# EAGLE board Mk4 Final a Panel score (EAGLE 9.0.1), part 3 of 24
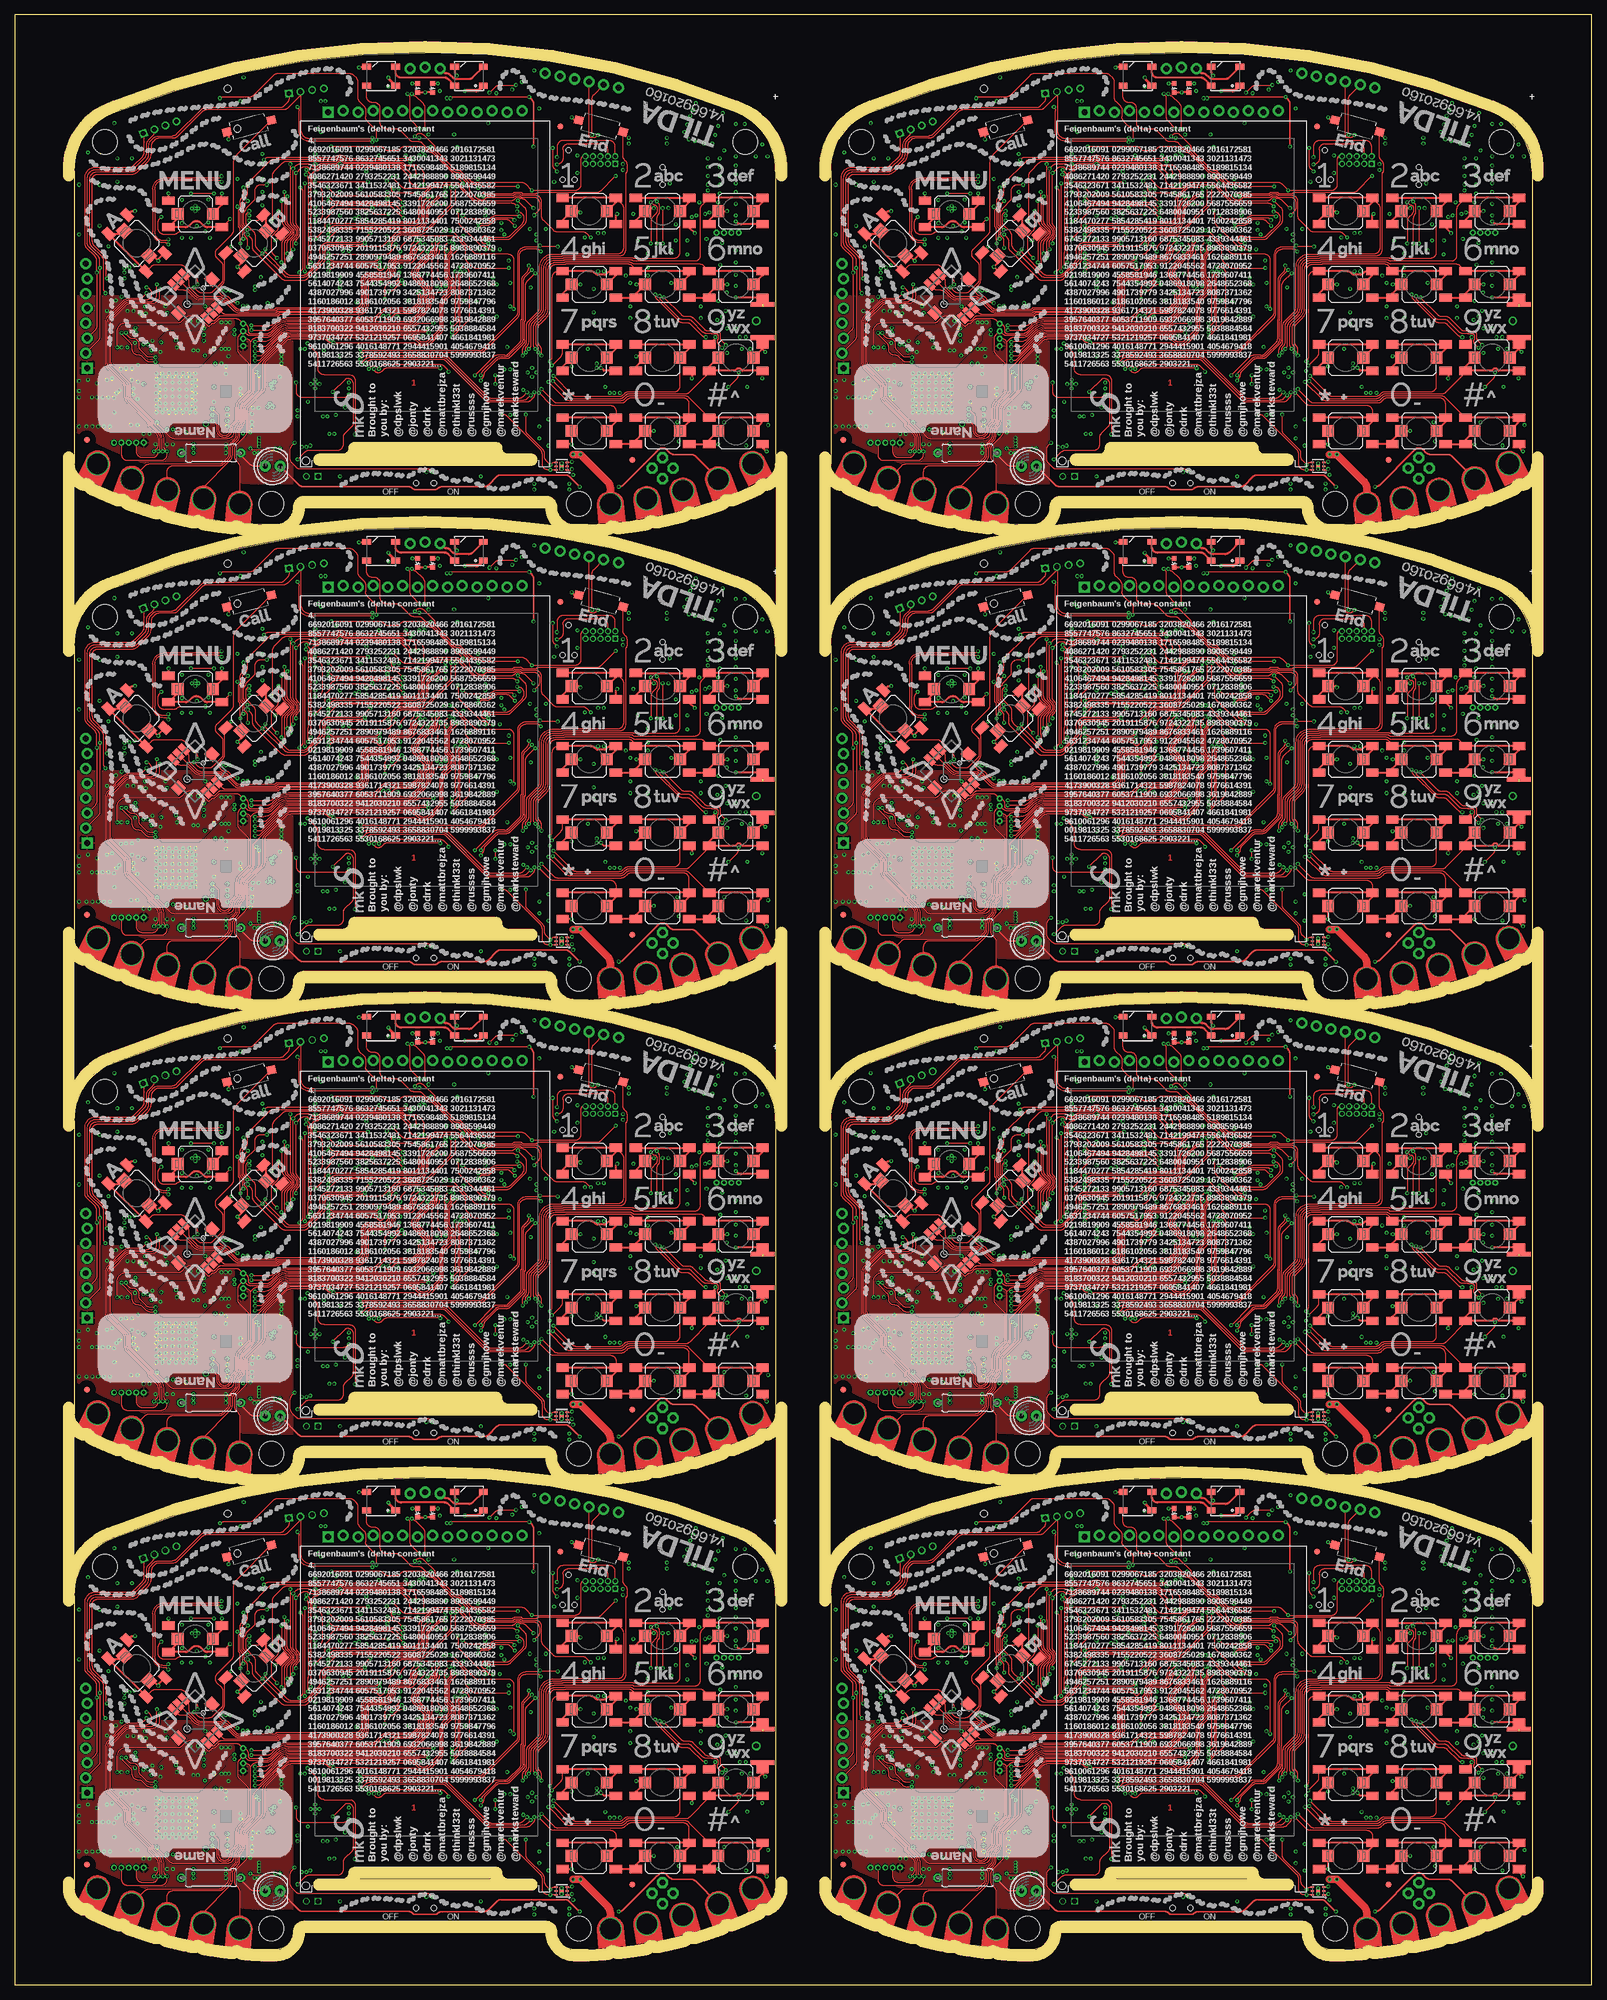
[diagram p0: board, top side]
## Placement (x,y rotation side) (continued)
LOGO2  LOGO_MICROPYTHON-6MM  [LOGO_MICROPYTHON_6MM]  88.75,51.7 0 bottom
LOGO3  LOGO_HCD-4MM  [LOGO_HDC_4MM]  86.4,63.4 0 bottom
LOGO4  LOGO_TI-BY-4MM  [LOGO_TI_BY_4MM]  92.5,68 0 bottom
LOGO5  EMFLOGO-2018-6MM  [EMFLOGO-2018-6MM]  32.5,48 90 bottom
LOGO6  LOGO-SEEEDSTUDIO-SILK  [LOGO_SILK]  60,82 0 bottom
LOGO7  LOGO_SIM  [SIM_ICON]  238,26 0 bottom
LOGO8  LOGO_MICROPYTHON-6MM  [LOGO_MICROPYTHON_6MM]  217.75,51.7 0 bottom
LOGO9  LOGO_HCD-4MM  [LOGO_HDC_4MM]  215.4,63.4 0 bottom
LOGO10  LOGO_TI-BY-4MM  [LOGO_TI_BY_4MM]  221.5,68 0 bottom
LOGO11  LOGO-SEEEDSTUDIO-SILK  [LOGO_SILK]  189,82 0 bottom
LOGO12  EMFLOGO-2018-6MM  [EMFLOGO-2018-6MM]  161.5,48 90 bottom
LOGO13  LOGO_SIM  [SIM_ICON]  109,107 0 bottom
LOGO14  LOGO_MICROPYTHON-6MM  [LOGO_MICROPYTHON_6MM]  88.75,132.7 0 bottom
LOGO15  LOGO_HCD-4MM  [LOGO_HDC_4MM]  86.4,144.4 0 bottom
LOGO16  LOGO_TI-BY-4MM  [LOGO_TI_BY_4MM]  92.5,149 0 bottom
LOGO17  LOGO-SEEEDSTUDIO-SILK  [LOGO_SILK]  60,163 0 bottom
LOGO18  EMFLOGO-2018-6MM  [EMFLOGO-2018-6MM]  32.5,129 90 bottom
LOGO19  LOGO_SIM  [SIM_ICON]  238,107 0 bottom
LOGO20  LOGO_MICROPYTHON-6MM  [LOGO_MICROPYTHON_6MM]  217.75,132.7 0 bottom
LOGO21  LOGO_HCD-4MM  [LOGO_HDC_4MM]  215.4,144.4 0 bottom
LOGO22  LOGO_TI-BY-4MM  [LOGO_TI_BY_4MM]  221.5,149 0 bottom
LOGO23  LOGO-SEEEDSTUDIO-SILK  [LOGO_SILK]  189,163 0 bottom
LOGO24  EMFLOGO-2018-6MM  [EMFLOGO-2018-6MM]  161.5,129 90 bottom
LOGO25  LOGO_SIM  [SIM_ICON]  109,188 0 bottom
LOGO26  LOGO_MICROPYTHON-6MM  [LOGO_MICROPYTHON_6MM]  88.75,213.7 0 bottom
LOGO27  LOGO_HCD-4MM  [LOGO_HDC_4MM]  86.4,225.4 0 bottom
LOGO28  LOGO_TI-BY-4MM  [LOGO_TI_BY_4MM]  92.5,230 0 bottom
LOGO29  LOGO-SEEEDSTUDIO-SILK  [LOGO_SILK]  60,244 0 bottom
LOGO30  EMFLOGO-2018-6MM  [EMFLOGO-2018-6MM]  32.5,210 90 bottom
LOGO31  LOGO_SIM  [SIM_ICON]  238,188 0 bottom
LOGO32  LOGO_MICROPYTHON-6MM  [LOGO_MICROPYTHON_6MM]  217.75,213.7 0 bottom
LOGO33  LOGO_HCD-4MM  [LOGO_HDC_4MM]  215.4,225.4 0 bottom
LOGO34  LOGO_TI-BY-4MM  [LOGO_TI_BY_4MM]  221.5,230 0 bottom
LOGO35  LOGO-SEEEDSTUDIO-SILK  [LOGO_SILK]  189,244 0 bottom
LOGO36  EMFLOGO-2018-6MM  [EMFLOGO-2018-6MM]  161.5,210 90 bottom
LOGO37  LOGO_SIM  [SIM_ICON]  109,269 0 bottom
LOGO38  LOGO_MICROPYTHON-6MM  [LOGO_MICROPYTHON_6MM]  88.75,294.7 0 bottom
LOGO39  LOGO_HCD-4MM  [LOGO_HDC_4MM]  86.4,306.4 0 bottom
LOGO40  LOGO_TI-BY-4MM  [LOGO_TI_BY_4MM]  92.5,311 0 bottom
LOGO41  LOGO-SEEEDSTUDIO-SILK  [LOGO_SILK]  60,325 0 bottom
LOGO42  EMFLOGO-2018-6MM  [EMFLOGO-2018-6MM]  32.5,291 90 bottom
LOGO43  LOGO_SIM  [SIM_ICON]  238,269 0 bottom
LOGO44  LOGO_MICROPYTHON-6MM  [LOGO_MICROPYTHON_6MM]  217.75,294.7 0 bottom
LOGO45  LOGO_HCD-4MM  [LOGO_HDC_4MM]  215.4,306.4 0 bottom
LOGO46  LOGO_TI-BY-4MM  [LOGO_TI_BY_4MM]  221.5,311 0 bottom
LOGO47  LOGO-SEEEDSTUDIO-SILK  [LOGO_SILK]  189,325 0 bottom
LOGO48  EMFLOGO-2018-6MM  [EMFLOGO-2018-6MM]  161.5,291 90 bottom
PCB  TiLDA Mk4 PCB  [TILDA_MK4_OUTLINE_TALL_V1]  70,6 0 top
PCB1  TiLDA Mk4 PCB  [TILDA_MK4_OUTLINE_TALL_V1]  199,6 0 top
PCB2  TiLDA Mk4 PCB  [TILDA_MK4_OUTLINE_TALL_V1]  70,87 0 top
PCB3  TiLDA Mk4 PCB  [TILDA_MK4_OUTLINE_TALL_V1]  199,87 0 top
PCB4  TiLDA Mk4 PCB  [TILDA_MK4_OUTLINE_TALL_V1]  70,168 0 top
PCB5  TiLDA Mk4 PCB  [TILDA_MK4_OUTLINE_TALL_V1]  199,168 0 top
PCB6  TiLDA Mk4 PCB  [TILDA_MK4_OUTLINE_TALL_V1]  70,249 0 top
PCB7  TiLDA Mk4 PCB  [TILDA_MK4_OUTLINE_TALL_V1]  199,249 0 top
Q1  2N7002PW  [SC70-3-R]  100.5,35.5 90 bottom
Q2  2N7002PW  [SC70-3-R]  116,19.75 90 bottom
Q3  CSD25402Q3A  [Q3A]  49.75,21.75 0 bottom
Q4  CSD13202Q2  [Q2]  213.5,44.75 270 bottom
Q5  2N7002PW  [SC70-3-R]  245,19.75 90 bottom
Q6  2N7002PW  [SC70-3-R]  229.5,35.5 90 bottom
Q7  CSD25402Q3A  [Q3A]  178.75,21.75 0 bottom
Q8  CSD13202Q2  [Q2]  84.5,44.75 270 bottom
Q9  CSD13202Q2  [Q2]  84.5,125.75 270 bottom
Q10  2N7002PW  [SC70-3-R]  116,100.75 90 bottom
Q11  2N7002PW  [SC70-3-R]  100.5,116.5 90 bottom
Q12  CSD25402Q3A  [Q3A]  49.75,102.75 0 bottom
Q13  CSD13202Q2  [Q2]  213.5,125.75 270 bottom
Q14  2N7002PW  [SC70-3-R]  245,100.75 90 bottom
Q15  2N7002PW  [SC70-3-R]  229.5,116.5 90 bottom
Q16  CSD25402Q3A  [Q3A]  178.75,102.75 0 bottom
Q17  CSD13202Q2  [Q2]  84.5,206.75 270 bottom
Q18  2N7002PW  [SC70-3-R]  116,181.75 90 bottom
Q19  2N7002PW  [SC70-3-R]  100.5,197.5 90 bottom
Q20  CSD25402Q3A  [Q3A]  49.75,183.75 0 bottom
Q21  CSD13202Q2  [Q2]  213.5,206.75 270 bottom
Q22  2N7002PW  [SC70-3-R]  245,181.75 90 bottom
Q23  2N7002PW  [SC70-3-R]  229.5,197.5 90 bottom
Q24  CSD25402Q3A  [Q3A]  178.75,183.75 0 bottom
Q25  CSD13202Q2  [Q2]  84.5,287.75 270 bottom
Q26  2N7002PW  [SC70-3-R]  116,262.75 90 bottom
Q27  2N7002PW  [SC70-3-R]  100.5,278.5 90 bottom
Q28  CSD25402Q3A  [Q3A]  49.75,264.75 0 bottom
Q29  CSD13202Q2  [Q2]  213.5,287.75 270 bottom
Q30  2N7002PW  [SC70-3-R]  245,262.75 90 bottom
Q31  2N7002PW  [SC70-3-R]  229.5,278.5 90 bottom
Q32  CSD25402Q3A  [Q3A]  178.75,264.75 0 bottom
R1  0402/1K/5%  [R0402-SMALLER]  54.5,73.5 270 bottom
R2  0402/1K/5%  [R0402-SMALLER]  55.5,73.5 270 bottom
R3  0402/4K87/5%  [R0402-SMALLER]  60.25,63.25 0 bottom
R4  0402/10K/5%  [R0402-SMALLER]  68.5,71.25 180 bottom
R5  0402/1M/5%  [R0402-SMALLER]  60.75,65.75 90 bottom
R6  0402/2K/5%  [R0402-SMALLER]  73.75,68.95 90 bottom
R7  0402/1M/5%  [R0402-SMALLER]  87.75,84 270 bottom
R8  0402/100R/5%  [R0402-SMALLER]  88.25,80.5 180 bottom
R9  0402/10K/5%  [R0402-SMALLER]  77.5,50.25 270 bottom
R10  0402/10K/5%  [R0402-SMALLER]  88,47.75 90 bottom
R11  [0309/10]  33.5,18.25 180 top
R12  0402/2K/5%  [R0402-SMALLER]  71.27,80.5 270 bottom
R13  0402/10K/5%  [R0402-SMALLER]  47.75,21.25 90 bottom
R14  0402/2K/5%  [R0402-SMALLER]  68.73,80.5 270 bottom
R15  0402/10K/5%  [R0402-SMALLER]  55.75,29.25 0 bottom
R16  0402/10K/5%  [R0402-SMALLER]  55.75,28.25 180 bottom
R17  0402/2K/5%  [R0402-SMALLER]  55.75,30.25 180 bottom
R18  0402/10K/5%  [R0402-SMALLER]  51.25,36.5 180 bottom
R19  0402/10K/5%  [R0402-SMALLER]  51.25,35.5 180 bottom
R20  0402/10K/5%  [R0402-SMALLER]  51.75,34 90 bottom
R21  0402/4K7/5%  [R0402-SMALLER]  56.05,54.25 90 bottom
R22  0402/4K7/5%  [R0402-SMALLER]  57.05,54.25 90 bottom
R23  0402/4K7/5%  [R0402-SMALLER]  82.25,55 180 bottom
R24  0402/4K7/5%  [R0402-SMALLER]  82.25,53.75 180 bottom
R25  0402/100K/5%  [R0402-SMALLER]  35,22.75 180 bottom
R26  0402/51R/5%  [R0402-SMALLER]  107.5,58.5 90 bottom
R27  0402/51R/5%  [R0402-SMALLER]  109.5,58.5 90 bottom
R28  0402/51R/5%  [R0402-SMALLER]  110.5,58.5 90 bottom
R29  0402/4K7/5%  [R0402-SMALLER]  116.5,36.75 180 bottom
R30  0402/100K/5%  [R0402-SMALLER]  98.5,35.5 90 bottom
R31  0402/1K/5%  [R0402-SMALLER]  100,47.25 180 bottom
R32  0402/1K/5%  [R0402-SMALLER]  100,48.25 180 bottom
R33  0402/1K/5%  [R0402-SMALLER]  100,45.25 180 bottom
R34  0402/1K/5%  [R0402-SMALLER]  100,44.25 180 bottom
R35  0402/1K/5%  [R0402-SMALLER]  100,43.25 180 bottom
R36  0402/1K/5%  [R0402-SMALLER]  100,39.25 180 bottom
R37  0402/1K/5%  [R0402-SMALLER]  100,41.25 180 bottom
R38  0402/5K6/5%  [R0402-SMALLER]  100,40.25 0 bottom
R39  0402/5K6/5%  [R0402-SMALLER]  100,42.25 0 bottom
R40  0402/5K6/5%  [R0402-SMALLER]  100,46.25 0 bottom
R41  0402/1K/5%  [R0402-SMALLER]  100,38.25 180 bottom
R42  0402/1K/5%  [R0402-SMALLER]  100,37.25 180 bottom
R43  0402/10K/5%  [R0402-SMALLER]  90.75,53 90 bottom
R44  0402/12R/5%  [R0402-SMALLER]  79.5,45 270 bottom
R45  0402/10K/5%  [R0402-SMALLER]  91.75,53 90 bottom
R46  0402/10K/5%  [R0402-SMALLER]  92.25,55.5 180 bottom
R47  0402/12R/5%  [R0402-SMALLER]  82.5,45 270 bottom
R48  0402/12R/5%  [R0402-SMALLER]  81.5,45 270 bottom
R49  0402/12R/5%  [R0402-SMALLER]  80.5,45 270 bottom
R50  0402/22K/5%  [R0402-SMALLER]  90.25,55.5 0 bottom
R51  0402/22K/5%  [R0402-SMALLER]  90.25,54.5 0 bottom
R52  0402/15K/5%  [R0402-SMALLER]  90.5,64.75 180 bottom
R53  0402/8K2/5%  [R0402-SMALLER]  88.5,64.75 0 bottom
R54  0402/10K/5%  [R0402-SMALLER]  95.5,60.5 270 bottom
R55  0402/10K/5%  [R0402-SMALLER]  97.75,55.75 180 bottom
R56  0402/10K/5%  [R0402-SMALLER]  104.25,65.5 180 bottom
R57  0402/150K/1%  [R0402-SMALLER]  31.95,65.45 0 bottom
R58  0402/150K/1%  [R0402-SMALLER]  31.95,64.45 0 bottom
R59  0402/10K/5%  [R0402-SMALLER]  114,19.75 90 bottom
R60  0402/732K/5%  [R0402-SMALLER]  38.95,20.35 270 bottom
R61  0402/162K/5%  [R0402-SMALLER]  39.95,20.35 90 bottom
R62  0402/10K/5%  [R0402-SMALLER]  22,22.75 270 bottom
R63  0402/100K/5%  [R0402-SMALLER]  19.25,41.2 90 bottom
R64  0402/100K/5%  [R0402-SMALLER]  20.25,41.2 90 bottom
R65  0402/100K/5%  [R0402-SMALLER]  23,22.75 270 bottom
R66  0402/10K/5%  [R0402-SMALLER]  18.5,46.25 90 bottom
R67  0402/100K/5%  [R0402-SMALLER]  21,43.25 180 bottom
R68  0402/100K/5%  [R0402-SMALLER]  35,25.75 180 bottom
R69  0402/100K/5%  [R0402-SMALLER]  35,23.75 180 bottom
R70  0402/100K/5%  [R0402-SMALLER]  36.75,32.5 90 bottom
R71  0402/100K/5%  [R0402-SMALLER]  28.5,22.25 270 bottom
R72  0402/100K/5%  [R0402-SMALLER]  24,21 270 bottom
R73  0402/100K/5%  [R0402-SMALLER]  19.25,35 90 bottom
R74  0402/10K/5%  [R0402-SMALLER]  28.75,62.5 0 bottom
R75  0402/0R/5%  [R0402-SMALLER]  31,67.5 180 bottom
R76  0402/10K/5%  [R0402-SMALLER]  84,33.75 90 bottom
R77  0402/150K/1%  [R0402-SMALLER]  31.95,66.4 0 bottom
R78  0402/150K/1%  [R0402-SMALLER]  32,63.5 0 bottom
R79  0402/12R/5%  [R0402-SMALLER]  211.5,45 270 bottom
R80  0402/12R/5%  [R0402-SMALLER]  210.5,45 270 bottom
R81  0402/12R/5%  [R0402-SMALLER]  209.5,45 270 bottom
R82  0402/12R/5%  [R0402-SMALLER]  208.5,45 270 bottom
R83  0402/2K/5%  [R0402-SMALLER]  200.27,80.5 270 bottom
R84  0402/2K/5%  [R0402-SMALLER]  197.73,80.5 270 bottom
R85  0402/1K/5%  [R0402-SMALLER]  183.5,73.5 270 bottom
R86  0402/1K/5%  [R0402-SMALLER]  184.5,73.5 270 bottom
R87  0402/4K87/5%  [R0402-SMALLER]  189.25,63.25 0 bottom
R88  0402/10K/5%  [R0402-SMALLER]  197.5,71.25 180 bottom
R89  0402/1M/5%  [R0402-SMALLER]  189.75,65.75 90 bottom
R90  0402/2K/5%  [R0402-SMALLER]  202.75,68.95 90 bottom
R91  0402/1M/5%  [R0402-SMALLER]  216.75,84 270 bottom
R92  0402/100R/5%  [R0402-SMALLER]  217.25,80.5 180 bottom
R93  0402/10K/5%  [R0402-SMALLER]  206.5,50.25 270 bottom
R94  0402/10K/5%  [R0402-SMALLER]  217,47.75 90 bottom
R95  [0309/10]  162.5,18.25 180 top
R96  0402/10K/5%  [R0402-SMALLER]  176.75,21.25 90 bottom
R97  0402/10K/5%  [R0402-SMALLER]  184.75,29.25 0 bottom
R98  0402/10K/5%  [R0402-SMALLER]  184.75,28.25 180 bottom
R99  0402/2K/5%  [R0402-SMALLER]  184.75,30.25 180 bottom
R100  0402/10K/5%  [R0402-SMALLER]  180.25,36.5 180 bottom
R101  0402/10K/5%  [R0402-SMALLER]  180.25,35.5 180 bottom
R102  0402/10K/5%  [R0402-SMALLER]  180.75,34 90 bottom
R103  0402/4K7/5%  [R0402-SMALLER]  185.05,54.25 90 bottom
R104  0402/4K7/5%  [R0402-SMALLER]  186.05,54.25 90 bottom
R105  0402/4K7/5%  [R0402-SMALLER]  211.25,55 180 bottom
R106  0402/4K7/5%  [R0402-SMALLER]  211.25,53.75 180 bottom
R107  0402/100K/5%  [R0402-SMALLER]  164,22.75 180 bottom
R108  0402/51R/5%  [R0402-SMALLER]  236.5,58.5 90 bottom
R109  0402/51R/5%  [R0402-SMALLER]  238.5,58.5 90 bottom
R110  0402/51R/5%  [R0402-SMALLER]  239.5,58.5 90 bottom
R111  0402/4K7/5%  [R0402-SMALLER]  245.5,36.75 180 bottom
R112  0402/100K/5%  [R0402-SMALLER]  227.5,35.5 90 bottom
R113  0402/1K/5%  [R0402-SMALLER]  229,47.25 180 bottom
R114  0402/5K6/5%  [R0402-SMALLER]  229,40.25 0 bottom
R115  0402/1K/5%  [R0402-SMALLER]  229,48.25 180 bottom
R116  0402/1K/5%  [R0402-SMALLER]  229,45.25 180 bottom
R117  0402/1K/5%  [R0402-SMALLER]  229,44.25 180 bottom
R118  0402/1K/5%  [R0402-SMALLER]  229,43.25 180 bottom
R119  0402/1K/5%  [R0402-SMALLER]  229,39.25 180 bottom
R120  0402/1K/5%  [R0402-SMALLER]  229,41.25 180 bottom
R121  0402/5K6/5%  [R0402-SMALLER]  229,42.25 0 bottom
R122  0402/5K6/5%  [R0402-SMALLER]  229,46.25 0 bottom
R123  0402/1K/5%  [R0402-SMALLER]  229,38.25 180 bottom
R124  0402/1K/5%  [R0402-SMALLER]  229,37.25 180 bottom
R125  0402/10K/5%  [R0402-SMALLER]  219.75,53 90 bottom
R126  0402/10K/5%  [R0402-SMALLER]  220.75,53 90 bottom
R127  0402/10K/5%  [R0402-SMALLER]  221.25,55.5 180 bottom
R128  0402/22K/5%  [R0402-SMALLER]  219.25,55.5 0 bottom
R129  0402/22K/5%  [R0402-SMALLER]  219.25,54.5 0 bottom
R130  0402/15K/5%  [R0402-SMALLER]  219.5,64.75 180 bottom
R131  0402/8K2/5%  [R0402-SMALLER]  217.5,64.75 0 bottom
R132  0402/10K/5%  [R0402-SMALLER]  224.5,60.5 270 bottom
R133  0402/10K/5%  [R0402-SMALLER]  226.75,55.75 180 bottom
R134  0402/10K/5%  [R0402-SMALLER]  233.25,65.5 180 bottom
R135  0402/150K/1%  [R0402-SMALLER]  160.95,65.45 0 bottom
R136  0402/150K/1%  [R0402-SMALLER]  160.95,64.45 0 bottom
R137  0402/10K/5%  [R0402-SMALLER]  243,19.75 90 bottom
R138  0402/732K/5%  [R0402-SMALLER]  167.95,20.35 270 bottom
R139  0402/162K/5%  [R0402-SMALLER]  168.95,20.35 90 bottom
R140  0402/10K/5%  [R0402-SMALLER]  151,22.75 270 bottom
R141  0402/100K/5%  [R0402-SMALLER]  148.25,41.2 90 bottom
R142  0402/100K/5%  [R0402-SMALLER]  149.25,41.2 90 bottom
R143  0402/100K/5%  [R0402-SMALLER]  152,22.75 270 bottom
R144  0402/10K/5%  [R0402-SMALLER]  147.5,46.25 90 bottom
R145  0402/100K/5%  [R0402-SMALLER]  150,43.25 180 bottom
R146  0402/100K/5%  [R0402-SMALLER]  164,25.75 180 bottom
R147  0402/100K/5%  [R0402-SMALLER]  164,23.75 180 bottom
R148  0402/100K/5%  [R0402-SMALLER]  165.75,32.5 90 bottom
R149  0402/100K/5%  [R0402-SMALLER]  157.5,22.25 270 bottom
R150  0402/100K/5%  [R0402-SMALLER]  153,21 270 bottom
R151  0402/100K/5%  [R0402-SMALLER]  148.25,35 90 bottom
R152  0402/10K/5%  [R0402-SMALLER]  213,33.75 90 bottom
R153  0402/150K/1%  [R0402-SMALLER]  160.95,66.4 0 bottom
R154  0402/150K/1%  [R0402-SMALLER]  161,63.5 0 bottom
R155  0402/10K/5%  [R0402-SMALLER]  157.75,62.5 0 bottom
R156  0402/0R/5%  [R0402-SMALLER]  160,67.5 180 bottom
R157  0402/12R/5%  [R0402-SMALLER]  82.5,126 270 bottom
R158  0402/12R/5%  [R0402-SMALLER]  81.5,126 270 bottom
R159  0402/12R/5%  [R0402-SMALLER]  80.5,126 270 bottom
R160  0402/12R/5%  [R0402-SMALLER]  79.5,126 270 bottom
R161  0402/2K/5%  [R0402-SMALLER]  71.27,161.5 270 bottom
R162  0402/2K/5%  [R0402-SMALLER]  68.73,161.5 270 bottom
R163  0402/1K/5%  [R0402-SMALLER]  54.5,154.5 270 bottom
R164  0402/1K/5%  [R0402-SMALLER]  55.5,154.5 270 bottom
R165  0402/4K87/5%  [R0402-SMALLER]  60.25,144.25 0 bottom
R166  0402/10K/5%  [R0402-SMALLER]  68.5,152.25 180 bottom
R167  0402/1M/5%  [R0402-SMALLER]  60.75,146.75 90 bottom
R168  0402/2K/5%  [R0402-SMALLER]  73.75,149.95 90 bottom
R169  0402/1M/5%  [R0402-SMALLER]  87.75,165 270 bottom
R170  0402/100R/5%  [R0402-SMALLER]  88.25,161.5 180 bottom
R171  0402/10K/5%  [R0402-SMALLER]  77.5,131.25 270 bottom
R172  0402/10K/5%  [R0402-SMALLER]  88,128.75 90 bottom
R173  [0309/10]  33.5,99.25 180 top
R174  0402/10K/5%  [R0402-SMALLER]  47.75,102.25 90 bottom
R175  0402/10K/5%  [R0402-SMALLER]  55.75,110.25 0 bottom
R176  0402/10K/5%  [R0402-SMALLER]  55.75,109.25 180 bottom
R177  0402/2K/5%  [R0402-SMALLER]  55.75,111.25 180 bottom
R178  0402/10K/5%  [R0402-SMALLER]  51.25,117.5 180 bottom
R179  0402/10K/5%  [R0402-SMALLER]  51.25,116.5 180 bottom
R180  0402/10K/5%  [R0402-SMALLER]  51.75,115 90 bottom
R181  0402/4K7/5%  [R0402-SMALLER]  56.05,135.25 90 bottom
R182  0402/4K7/5%  [R0402-SMALLER]  57.05,135.25 90 bottom
R183  0402/4K7/5%  [R0402-SMALLER]  82.25,136 180 bottom
R184  0402/4K7/5%  [R0402-SMALLER]  82.25,134.75 180 bottom
R185  0402/100K/5%  [R0402-SMALLER]  35,103.75 180 bottom
R186  0402/51R/5%  [R0402-SMALLER]  107.5,139.5 90 bottom
R187  0402/51R/5%  [R0402-SMALLER]  109.5,139.5 90 bottom
R188  0402/51R/5%  [R0402-SMALLER]  110.5,139.5 90 bottom
R189  0402/4K7/5%  [R0402-SMALLER]  116.5,117.75 180 bottom
R190  0402/100K/5%  [R0402-SMALLER]  98.5,116.5 90 bottom
R191  0402/1K/5%  [R0402-SMALLER]  100,128.25 180 bottom
R192  0402/5K6/5%  [R0402-SMALLER]  100,121.25 0 bottom
R193  0402/1K/5%  [R0402-SMALLER]  100,129.25 180 bottom
R194  0402/1K/5%  [R0402-SMALLER]  100,126.25 180 bottom
R195  0402/1K/5%  [R0402-SMALLER]  100,125.25 180 bottom
R196  0402/1K/5%  [R0402-SMALLER]  100,124.25 180 bottom
R197  0402/1K/5%  [R0402-SMALLER]  100,120.25 180 bottom
R198  0402/1K/5%  [R0402-SMALLER]  100,122.25 180 bottom
R199  0402/5K6/5%  [R0402-SMALLER]  100,123.25 0 bottom
R200  0402/5K6/5%  [R0402-SMALLER]  100,127.25 0 bottom
R201  0402/1K/5%  [R0402-SMALLER]  100,119.25 180 bottom
R202  0402/1K/5%  [R0402-SMALLER]  100,118.25 180 bottom
R203  0402/10K/5%  [R0402-SMALLER]  90.75,134 90 bottom
R204  0402/10K/5%  [R0402-SMALLER]  91.75,134 90 bottom
R205  0402/10K/5%  [R0402-SMALLER]  92.25,136.5 180 bottom
R206  0402/22K/5%  [R0402-SMALLER]  90.25,136.5 0 bottom
R207  0402/22K/5%  [R0402-SMALLER]  90.25,135.5 0 bottom
R208  0402/15K/5%  [R0402-SMALLER]  90.5,145.75 180 bottom
R209  0402/8K2/5%  [R0402-SMALLER]  88.5,145.75 0 bottom
R210  0402/10K/5%  [R0402-SMALLER]  95.5,141.5 270 bottom
R211  0402/10K/5%  [R0402-SMALLER]  97.75,136.75 180 bottom
R212  0402/10K/5%  [R0402-SMALLER]  104.25,146.5 180 bottom
R213  0402/150K/1%  [R0402-SMALLER]  31.95,146.45 0 bottom
R214  0402/150K/1%  [R0402-SMALLER]  31.95,145.45 0 bottom
R215  0402/10K/5%  [R0402-SMALLER]  114,100.75 90 bottom
R216  0402/732K/5%  [R0402-SMALLER]  38.95,101.35 270 bottom
R217  0402/162K/5%  [R0402-SMALLER]  39.95,101.35 90 bottom
R218  0402/10K/5%  [R0402-SMALLER]  22,103.75 270 bottom
R219  0402/100K/5%  [R0402-SMALLER]  19.25,122.2 90 bottom
R220  0402/100K/5%  [R0402-SMALLER]  20.25,122.2 90 bottom
R221  0402/100K/5%  [R0402-SMALLER]  23,103.75 270 bottom
R222  0402/10K/5%  [R0402-SMALLER]  18.5,127.25 90 bottom
R223  0402/100K/5%  [R0402-SMALLER]  21,124.25 180 bottom
R224  0402/100K/5%  [R0402-SMALLER]  35,106.75 180 bottom
R225  0402/100K/5%  [R0402-SMALLER]  35,104.75 180 bottom
R226  0402/100K/5%  [R0402-SMALLER]  36.75,113.5 90 bottom
R227  0402/100K/5%  [R0402-SMALLER]  28.5,103.25 270 bottom
R228  0402/100K/5%  [R0402-SMALLER]  24,102 270 bottom
R229  0402/100K/5%  [R0402-SMALLER]  19.25,116 90 bottom
R230  0402/10K/5%  [R0402-SMALLER]  84,114.75 90 bottom
R231  0402/150K/1%  [R0402-SMALLER]  31.95,147.4 0 bottom
R232  0402/150K/1%  [R0402-SMALLER]  32,144.5 0 bottom
R233  0402/10K/5%  [R0402-SMALLER]  28.75,143.5 0 bottom
R234  0402/0R/5%  [R0402-SMALLER]  31,148.5 180 bottom
R235  0402/12R/5%  [R0402-SMALLER]  211.5,126 270 bottom
R236  0402/12R/5%  [R0402-SMALLER]  210.5,126 270 bottom
R237  0402/12R/5%  [R0402-SMALLER]  209.5,126 270 bottom
R238  0402/12R/5%  [R0402-SMALLER]  208.5,126 270 bottom
R239  0402/2K/5%  [R0402-SMALLER]  200.27,161.5 270 bottom
R240  0402/2K/5%  [R0402-SMALLER]  197.73,161.5 270 bottom
R241  0402/1K/5%  [R0402-SMALLER]  183.5,154.5 270 bottom
R242  0402/1K/5%  [R0402-SMALLER]  184.5,154.5 270 bottom
R243  0402/4K87/5%  [R0402-SMALLER]  189.25,144.25 0 bottom
R244  0402/10K/5%  [R0402-SMALLER]  197.5,152.25 180 bottom
R245  0402/1M/5%  [R0402-SMALLER]  189.75,146.75 90 bottom
R246  0402/2K/5%  [R0402-SMALLER]  202.75,149.95 90 bottom
R247  0402/1M/5%  [R0402-SMALLER]  216.75,165 270 bottom
R248  0402/100R/5%  [R0402-SMALLER]  217.25,161.5 180 bottom
R249  0402/10K/5%  [R0402-SMALLER]  206.5,131.25 270 bottom
R250  0402/10K/5%  [R0402-SMALLER]  217,128.75 90 bottom
R251  [0309/10]  162.5,99.25 180 top
R252  0402/10K/5%  [R0402-SMALLER]  176.75,102.25 90 bottom
R253  0402/10K/5%  [R0402-SMALLER]  184.75,110.25 0 bottom
R254  0402/10K/5%  [R0402-SMALLER]  184.75,109.25 180 bottom
R255  0402/2K/5%  [R0402-SMALLER]  184.75,111.25 180 bottom
R256  0402/10K/5%  [R0402-SMALLER]  180.25,117.5 180 bottom
R257  0402/10K/5%  [R0402-SMALLER]  180.25,116.5 180 bottom
R258  0402/10K/5%  [R0402-SMALLER]  180.75,115 90 bottom
R259  0402/4K7/5%  [R0402-SMALLER]  185.05,135.25 90 bottom
R260  0402/4K7/5%  [R0402-SMALLER]  186.05,135.25 90 bottom
R261  0402/4K7/5%  [R0402-SMALLER]  211.25,136 180 bottom
R262  0402/4K7/5%  [R0402-SMALLER]  211.25,134.75 180 bottom
R263  0402/100K/5%  [R0402-SMALLER]  164,103.75 180 bottom
R264  0402/51R/5%  [R0402-SMALLER]  236.5,139.5 90 bottom
R265  0402/51R/5%  [R0402-SMALLER]  238.5,139.5 90 bottom
R266  0402/51R/5%  [R0402-SMALLER]  239.5,139.5 90 bottom
R267  0402/4K7/5%  [R0402-SMALLER]  245.5,117.75 180 bottom
R268  0402/100K/5%  [R0402-SMALLER]  227.5,116.5 90 bottom
R269  0402/1K/5%  [R0402-SMALLER]  229,128.25 180 bottom
R270  0402/5K6/5%  [R0402-SMALLER]  229,121.25 0 bottom
R271  0402/1K/5%  [R0402-SMALLER]  229,129.25 180 bottom
R272  0402/1K/5%  [R0402-SMALLER]  229,126.25 180 bottom
R273  0402/1K/5%  [R0402-SMALLER]  229,125.25 180 bottom
R274  0402/1K/5%  [R0402-SMALLER]  229,124.25 180 bottom
R275  0402/1K/5%  [R0402-SMALLER]  229,120.25 180 bottom
R276  0402/1K/5%  [R0402-SMALLER]  229,122.25 180 bottom
R277  0402/5K6/5%  [R0402-SMALLER]  229,123.25 0 bottom
R278  0402/5K6/5%  [R0402-SMALLER]  229,127.25 0 bottom
R279  0402/1K/5%  [R0402-SMALLER]  229,119.25 180 bottom
R280  0402/1K/5%  [R0402-SMALLER]  229,118.25 180 bottom
R281  0402/10K/5%  [R0402-SMALLER]  219.75,134 90 bottom
R282  0402/10K/5%  [R0402-SMALLER]  220.75,134 90 bottom
R283  0402/10K/5%  [R0402-SMALLER]  221.25,136.5 180 bottom
R284  0402/22K/5%  [R0402-SMALLER]  219.25,136.5 0 bottom
R285  0402/22K/5%  [R0402-SMALLER]  219.25,135.5 0 bottom
R286  0402/15K/5%  [R0402-SMALLER]  219.5,145.75 180 bottom
R287  0402/8K2/5%  [R0402-SMALLER]  217.5,145.75 0 bottom
R288  0402/10K/5%  [R0402-SMALLER]  224.5,141.5 270 bottom
R289  0402/10K/5%  [R0402-SMALLER]  226.75,136.75 180 bottom
R290  0402/10K/5%  [R0402-SMALLER]  233.25,146.5 180 bottom
R291  0402/150K/1%  [R0402-SMALLER]  160.95,146.45 0 bottom
R292  0402/150K/1%  [R0402-SMALLER]  160.95,145.45 0 bottom
R293  0402/10K/5%  [R0402-SMALLER]  243,100.75 90 bottom
R294  0402/732K/5%  [R0402-SMALLER]  167.95,101.35 270 bottom
R295  0402/162K/5%  [R0402-SMALLER]  168.95,101.35 90 bottom
R296  0402/10K/5%  [R0402-SMALLER]  151,103.75 270 bottom
R297  0402/100K/5%  [R0402-SMALLER]  148.25,122.2 90 bottom
R298  0402/100K/5%  [R0402-SMALLER]  149.25,122.2 90 bottom
R299  0402/100K/5%  [R0402-SMALLER]  152,103.75 270 bottom
R300  0402/10K/5%  [R0402-SMALLER]  147.5,127.25 90 bottom
R301  0402/100K/5%  [R0402-SMALLER]  150,124.25 180 bottom
R302  0402/100K/5%  [R0402-SMALLER]  164,106.75 180 bottom
R303  0402/100K/5%  [R0402-SMALLER]  164,104.75 180 bottom
R304  0402/100K/5%  [R0402-SMALLER]  165.75,113.5 90 bottom
R305  0402/100K/5%  [R0402-SMALLER]  157.5,103.25 270 bottom
R306  0402/100K/5%  [R0402-SMALLER]  153,102 270 bottom
R307  0402/100K/5%  [R0402-SMALLER]  148.25,116 90 bottom
R308  0402/10K/5%  [R0402-SMALLER]  213,114.75 90 bottom
R309  0402/150K/1%  [R0402-SMALLER]  160.95,147.4 0 bottom
R310  0402/150K/1%  [R0402-SMALLER]  161,144.5 0 bottom
R311  0402/10K/5%  [R0402-SMALLER]  157.75,143.5 0 bottom
R312  0402/0R/5%  [R0402-SMALLER]  160,148.5 180 bottom
R313  0402/12R/5%  [R0402-SMALLER]  82.5,207 270 bottom
R314  0402/12R/5%  [R0402-SMALLER]  81.5,207 270 bottom
R315  0402/12R/5%  [R0402-SMALLER]  80.5,207 270 bottom
R316  0402/12R/5%  [R0402-SMALLER]  79.5,207 270 bottom
R317  0402/2K/5%  [R0402-SMALLER]  71.27,242.5 270 bottom
R318  0402/2K/5%  [R0402-SMALLER]  68.73,242.5 270 bottom
R319  0402/1K/5%  [R0402-SMALLER]  54.5,235.5 270 bottom
R320  0402/1K/5%  [R0402-SMALLER]  55.5,235.5 270 bottom
R321  0402/4K87/5%  [R0402-SMALLER]  60.25,225.25 0 bottom
R322  0402/10K/5%  [R0402-SMALLER]  68.5,233.25 180 bottom
R323  0402/1M/5%  [R0402-SMALLER]  60.75,227.75 90 bottom
R324  0402/2K/5%  [R0402-SMALLER]  73.75,230.95 90 bottom
R325  0402/1M/5%  [R0402-SMALLER]  87.75,246 270 bottom
R326  0402/100R/5%  [R0402-SMALLER]  88.25,242.5 180 bottom
R327  0402/10K/5%  [R0402-SMALLER]  77.5,212.25 270 bottom
R328  0402/10K/5%  [R0402-SMALLER]  88,209.75 90 bottom
R329  [0309/10]  33.5,180.25 180 top
R330  0402/10K/5%  [R0402-SMALLER]  47.75,183.25 90 bottom
R331  0402/10K/5%  [R0402-SMALLER]  55.75,191.25 0 bottom
R332  0402/10K/5%  [R0402-SMALLER]  55.75,190.25 180 bottom
R333  0402/2K/5%  [R0402-SMALLER]  55.75,192.25 180 bottom
R334  0402/10K/5%  [R0402-SMALLER]  51.25,198.5 180 bottom
R335  0402/10K/5%  [R0402-SMALLER]  51.25,197.5 180 bottom
R336  0402/10K/5%  [R0402-SMALLER]  51.75,196 90 bottom
R337  0402/4K7/5%  [R0402-SMALLER]  56.05,216.25 90 bottom
R338  0402/4K7/5%  [R0402-SMALLER]  57.05,216.25 90 bottom
R339  0402/4K7/5%  [R0402-SMALLER]  82.25,217 180 bottom
R340  0402/4K7/5%  [R0402-SMALLER]  82.25,215.75 180 bottom
R341  0402/100K/5%  [R0402-SMALLER]  35,184.75 180 bottom
R342  0402/51R/5%  [R0402-SMALLER]  107.5,220.5 90 bottom
R343  0402/51R/5%  [R0402-SMALLER]  109.5,220.5 90 bottom
R344  0402/51R/5%  [R0402-SMALLER]  110.5,220.5 90 bottom
R345  0402/4K7/5%  [R0402-SMALLER]  116.5,198.75 180 bottom
R346  0402/100K/5%  [R0402-SMALLER]  98.5,197.5 90 bottom
R347  0402/1K/5%  [R0402-SMALLER]  100,209.25 180 bottom
R348  0402/5K6/5%  [R0402-SMALLER]  100,202.25 0 bottom
R349  0402/1K/5%  [R0402-SMALLER]  100,210.25 180 bottom